# Altium PCB driver_V1.2.2.PcbDoc (part 1 of 2)
Units mm, origin at the board's own origin, x right, y up, seen from the top; angles counter-clockwise.
Board outline 57.1 x 171.3 mm, 2 copper layers (Top Layer, Bottom Layer), stack 1.58 mm thick; 272 components, 24 nets, 644 pads, 100 vias.
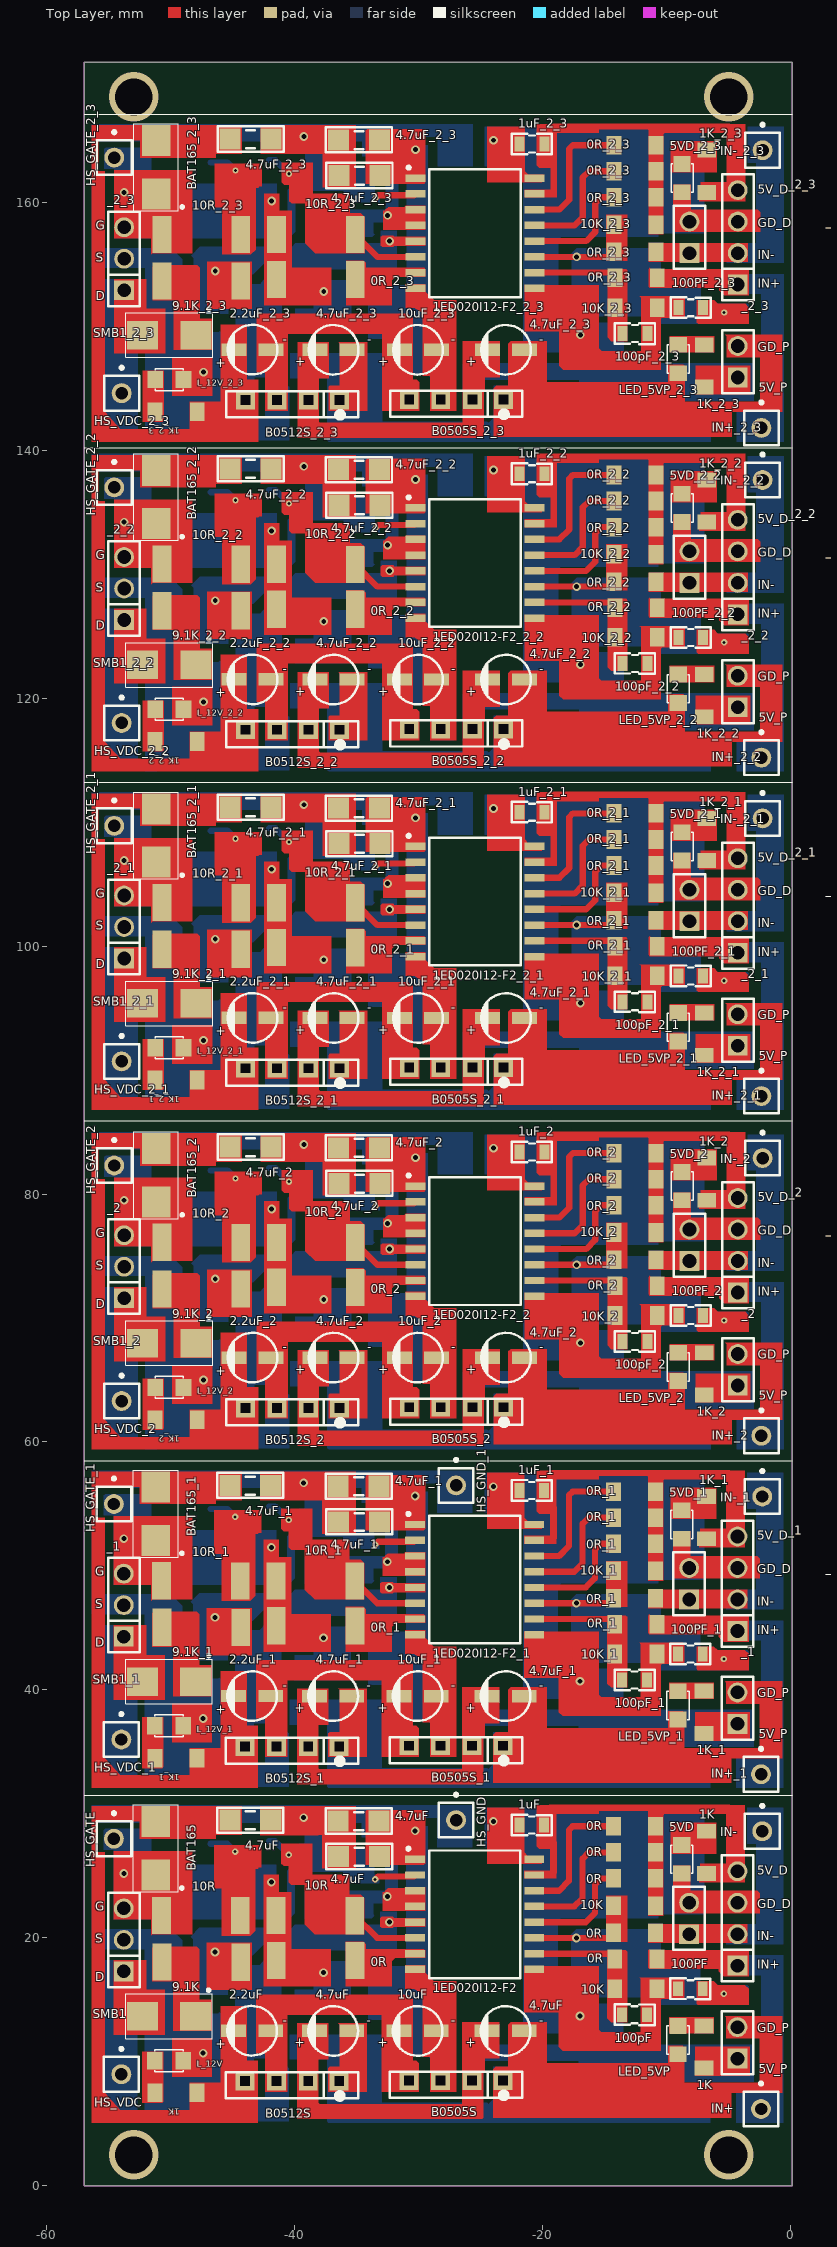
[diagram p0: Top Layer view]
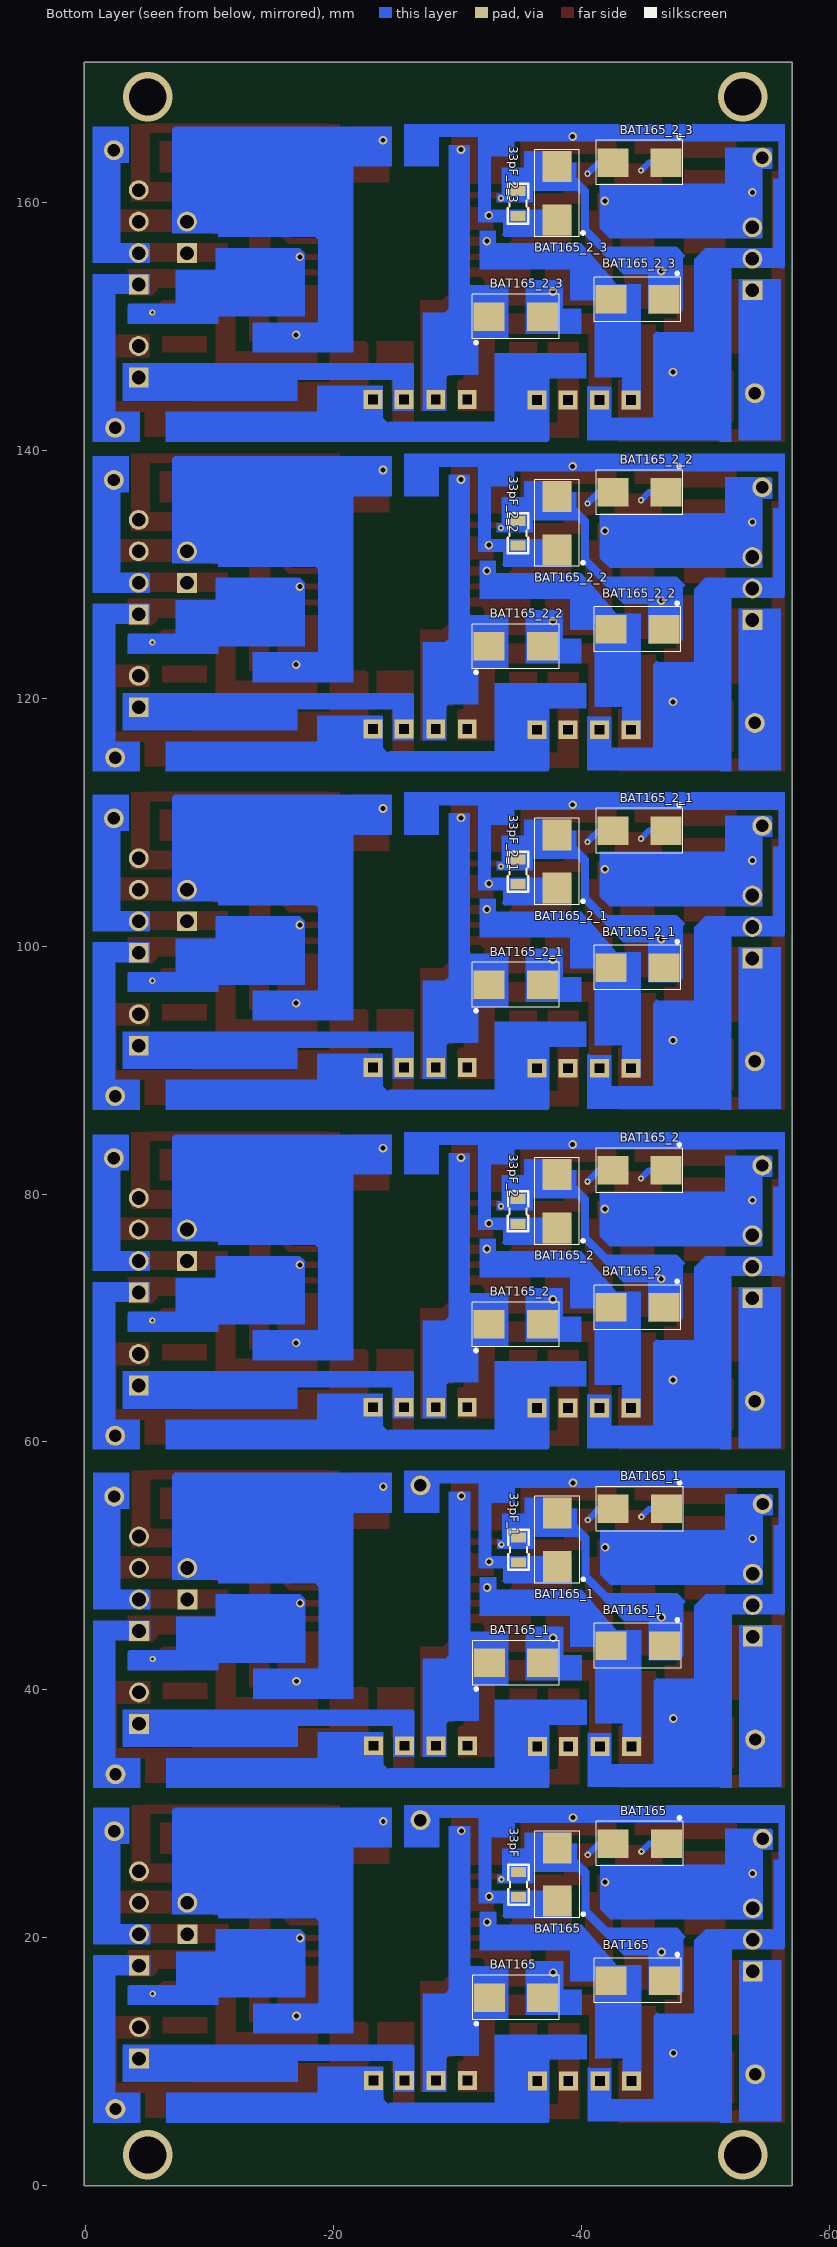
[diagram p1: Bottom Layer view, seen from below]
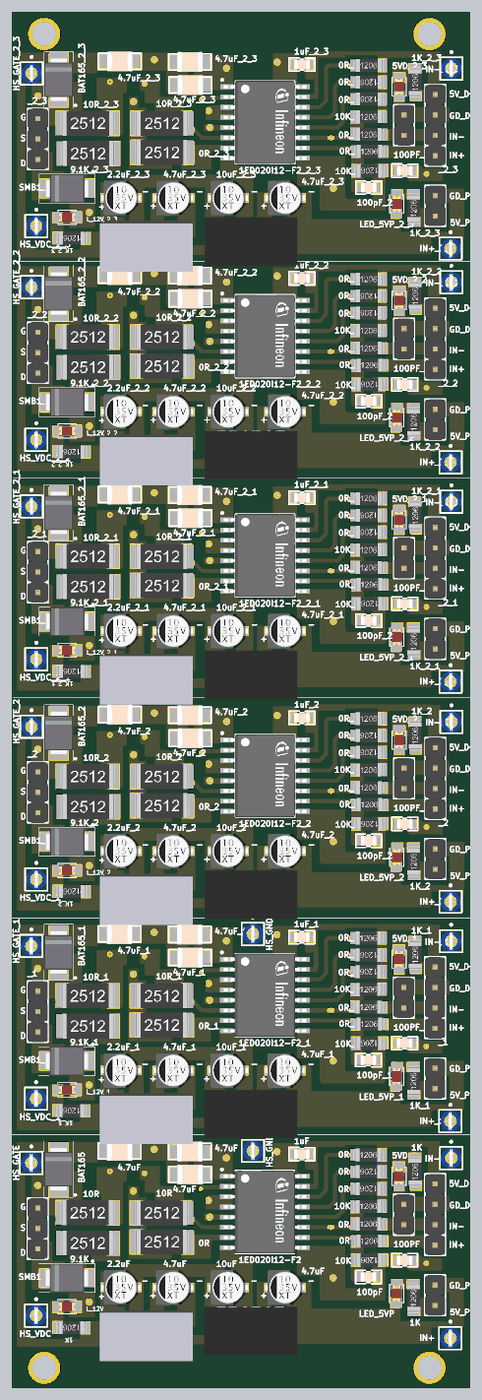
[diagram p3: 3D render of the assembled board from above, using the file's embedded part models]
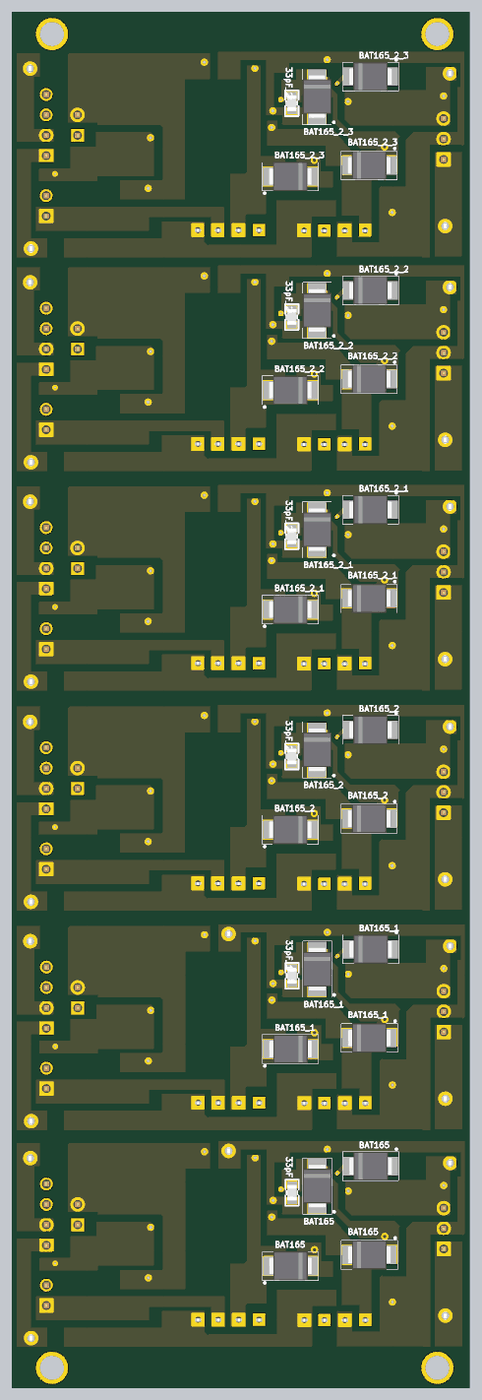
[diagram p4: 3D render of the assembled board from below, using the file's embedded part models]

## Layer stack, top to bottom
Top Solder: solder mask 0.01, Solder Resist, Dk 3.5
Top Layer: signal copper 0.035
Dielectric 1: dielectric 1.51, FR-4, Dk 4.8
Bottom Layer: signal copper 0.035
Bottom Solder: solder mask 0.01, Solder Resist, Dk 3.5

## Board outline
-57,0 0.1,0 0.1,171.3 -57,171.3

## Design rules (kind name [scope] priority, off if disabled: settings)
Clearance [All] p1: gap=0.5
PolygonConnect [All] p1: connectstyle=Relief reliefconductorwidth=0.254 reliefentries=4 polygonreliefangle="90 Angle" airgapwidth=0.254
RoutingVias [All] p1: holewidth=0.711 width=1.27 viastyle="Through Hole" minholewidth=0.711 minwidth=1.27 maxholewidth=0.711 maxwidth=1.27
SolderMaskExpansion [All] p1: expansion=0.102
Width [All] p1: maxlimit=2 minlimit=0.5 preferedwidth=0.5
30 further rules are at their usual default settings.

## Classes and differential pairs
component class driver_V1.1: 0R 1K 10K 24 100PF 100pF IN+ JP5 L_5VD SMB1

## Components (designator, comment, footprint, x,y, rotation, side; value= is the part's Value field where it differs from the comment)
0R "0R" RES_2512 -38.34,17.97 r0 top (schematic designator 17)
0R "0R" RES1206 -12.6,20.4 r0 top (schematic designator 18)
0R "0R" RES1206 -12.5,18.3 r0 top (schematic designator 16)
0R "0R" RES1206 -12.6,24.8 r180 top (schematic designator 13)
0R "0R" RES1206 -12.6,29 r0 top (schematic designator 12)
0R "0R" RES1206 -12.6,26.9 r180 top (schematic designator 11)
0R_1 "0R" RES1206 -12.6,53.9 r180 top (schematic designator 11)
0R_1 "0R" RES1206 -12.6,56 r0 top (schematic designator 12)
0R_1 "0R" RES1206 -12.6,51.8 r180 top (schematic designator 13)
0R_1 "0R" RES1206 -12.5,45.3 r0 top (schematic designator 16)
0R_1 "0R" RES1206 -12.6,47.4 r0 top (schematic designator 18)
0R_1 "0R" RES_2512 -38.34,44.97 r0 top (schematic designator 17)
0R_2 "0R" RES1206 -12.575,81.2 r180 top (schematic designator 11)
0R_2 "0R" RES1206 -12.575,83.3 r0 top (schematic designator 12)
0R_2 "0R" RES1206 -12.575,79.1 r180 top (schematic designator 13)
0R_2 "0R" RES1206 -12.475,72.6 r0 top (schematic designator 16)
0R_2 "0R" RES1206 -12.575,74.7 r0 top (schematic designator 18)
0R_2 "0R" RES_2512 -38.315,72.27 r0 top (schematic designator 17)
0R_2_1 "0R" RES_2512 -38.315,99.67 r0 top (schematic designator 17)
0R_2_1 "0R" RES1206 -12.575,102.1 r0 top (schematic designator 18)
0R_2_1 "0R" RES1206 -12.475,100 r0 top (schematic designator 16)
0R_2_1 "0R" RES1206 -12.575,106.5 r180 top (schematic designator 13)
0R_2_1 "0R" RES1206 -12.575,110.7 r0 top (schematic designator 12)
0R_2_1 "0R" RES1206 -12.575,108.6 r180 top (schematic designator 11)
0R_2_2 "0R" RES_2512 -38.315,126.97 r0 top (schematic designator 17)
0R_2_2 "0R" RES1206 -12.575,129.4 r0 top (schematic designator 18)
0R_2_2 "0R" RES1206 -12.475,127.3 r0 top (schematic designator 16)
0R_2_2 "0R" RES1206 -12.575,133.8 r180 top (schematic designator 13)
0R_2_2 "0R" RES1206 -12.575,138 r0 top (schematic designator 12)
0R_2_2 "0R" RES1206 -12.575,135.9 r180 top (schematic designator 11)
0R_2_3 "0R" RES_2512 -38.315,153.57 r0 top (schematic designator 17)
0R_2_3 "0R" RES1206 -12.575,156 r0 top (schematic designator 18)
0R_2_3 "0R" RES1206 -12.475,153.9 r0 top (schematic designator 16)
0R_2_3 "0R" RES1206 -12.575,160.4 r180 top (schematic designator 13)
0R_2_3 "0R" RES1206 -12.575,164.6 r0 top (schematic designator 12)
0R_2_3 "0R" RES1206 -12.575,162.5 r180 top (schematic designator 11)
1ED020I12-F2 "1ED020I12-F2" SOIC127P1028X264-16N-1 -25.5,21.9 r0 top (schematic designator 14)
1ED020I12-F2_1 "1ED020I12-F2" SOIC127P1028X264-16N-1 -25.5,48.9 r0 top (schematic designator 14)
1ED020I12-F2_2 "1ED020I12-F2" SOIC127P1028X264-16N-1 -25.475,76.2 r0 top (schematic designator 14)
1ED020I12-F2_2_1 "1ED020I12-F2" SOIC127P1028X264-16N-1 -25.475,103.6 r0 top (schematic designator 14)
1ED020I12-F2_2_2 "1ED020I12-F2" SOIC127P1028X264-16N-1 -25.475,130.9 r0 top (schematic designator 14)
1ED020I12-F2_2_3 "1ED020I12-F2" SOIC127P1028X264-16N-1 -25.475,157.5 r0 top (schematic designator 14)
1K "1K" RES1206 -49.6,7.5 r180 top (schematic designator 6)
1K "1K" RES1206 -6.8,26.9 r90 top (schematic designator 7)
1K "1K" RES1206 -7,11.2 r90 top (schematic designator 3)
1K_1 "1K" RES1206 -7,38.2 r90 top (schematic designator 3)
1K_1 "1K" RES1206 -6.8,53.9 r90 top (schematic designator 7)
1K_1 "1K" RES1206 -49.6,34.5 r180 top (schematic designator 6)
1K_2 "1K" RES1206 -6.975,65.5 r90 top (schematic designator 3)
1K_2 "1K" RES1206 -6.775,81.2 r90 top (schematic designator 7)
1K_2 "1K" RES1206 -49.575,61.8 r180 top (schematic designator 6)
1K_2_1 "1K" RES1206 -49.575,89.2 r180 top (schematic designator 6)
1K_2_1 "1K" RES1206 -6.775,108.6 r90 top (schematic designator 7)
1K_2_1 "1K" RES1206 -6.975,92.9 r90 top (schematic designator 3)
1K_2_2 "1K" RES1206 -49.575,116.5 r180 top (schematic designator 6)
1K_2_2 "1K" RES1206 -6.775,135.9 r90 top (schematic designator 7)
1K_2_2 "1K" RES1206 -6.975,120.2 r90 top (schematic designator 3)
1K_2_3 "1K" RES1206 -49.575,143.1 r180 top (schematic designator 6)
1K_2_3 "1K" RES1206 -6.775,162.5 r90 top (schematic designator 7)
1K_2_3 "1K" RES1206 -6.975,146.8 r90 top (schematic designator 3)
1uF "1uF" "Tu 0805_N" -20.9,29.1 r0 top (schematic designator 8)
1uF_1 "1uF" "Tu 0805_N" -20.9,56.1 r0 top (schematic designator 8)
1uF_2 "1uF" "Tu 0805_N" -20.875,83.4 r0 top (schematic designator 8)
1uF_2_1 "1uF" "Tu 0805_N" -20.875,110.8 r0 top (schematic designator 8)
1uF_2_2 "1uF" "Tu 0805_N" -20.875,138.1 r0 top (schematic designator 8)
1uF_2_3 "1uF" "Tu 0805_N" -20.875,164.7 r0 top (schematic designator 8)
2.2uF "2.2uF_35V" tu_4x5.4mm -43.45,12.51 r0 top (schematic designator 2)
2.2uF_1 "2.2uF_35V" tu_4x5.4mm -43.45,39.51 r0 top (schematic designator 2)
2.2uF_2 "2.2uF_35V" tu_4x5.4mm -43.425,66.81 r0 top (schematic designator 2)
2.2uF_2_1 "2.2uF_35V" tu_4x5.4mm -43.425,94.21 r0 top (schematic designator 2)
2.2uF_2_2 "2.2uF_35V" tu_4x5.4mm -43.425,121.51 r0 top (schematic designator 2)
2.2uF_2_3 "2.2uF_35V" tu_4x5.4mm -43.425,148.11 r0 top (schematic designator 2)
4.7uF "4.7uF_35V" tu_4x5.4mm -36.91,12.5 r0 top (schematic designator 1)
4.7uF "4.7uF" "tu 1206_N" -34.86,29.43 r180 top (schematic designator 23)
4.7uF "4.7uF" "tu 1206_N" -34.82,26.56 r180 top (schematic designator 22)
4.7uF "4.7uF" "tu 1206_N" -43.6,29.5 r180 top (schematic designator 9)
4.7uF "4.7uF_35V" tu_4x5.4mm -23,12.5 r0 top (schematic designator 5)
4.7uF_1 "4.7uF_35V" tu_4x5.4mm -23,39.5 r0 top (schematic designator 5)
4.7uF_1 "4.7uF" "tu 1206_N" -43.6,56.5 r180 top (schematic designator 9)
4.7uF_1 "4.7uF" "tu 1206_N" -34.82,53.56 r180 top (schematic designator 22)
4.7uF_1 "4.7uF" "tu 1206_N" -34.86,56.43 r180 top (schematic designator 23)
4.7uF_1 "4.7uF_35V" tu_4x5.4mm -36.91,39.5 r0 top (schematic designator 1)
4.7uF_2 "4.7uF_35V" tu_4x5.4mm -22.975,66.8 r0 top (schematic designator 5)
4.7uF_2 "4.7uF" "tu 1206_N" -43.575,83.8 r180 top (schematic designator 9)
4.7uF_2 "4.7uF" "tu 1206_N" -34.795,80.86 r180 top (schematic designator 22)
4.7uF_2 "4.7uF" "tu 1206_N" -34.835,83.73 r180 top (schematic designator 23)
4.7uF_2 "4.7uF_35V" tu_4x5.4mm -36.885,66.8 r0 top (schematic designator 1)
4.7uF_2_1 "4.7uF_35V" tu_4x5.4mm -36.885,94.2 r0 top (schematic designator 1)
4.7uF_2_1 "4.7uF" "tu 1206_N" -34.835,111.13 r180 top (schematic designator 23)
4.7uF_2_1 "4.7uF" "tu 1206_N" -34.795,108.26 r180 top (schematic designator 22)
4.7uF_2_1 "4.7uF" "tu 1206_N" -43.575,111.2 r180 top (schematic designator 9)
4.7uF_2_1 "4.7uF_35V" tu_4x5.4mm -22.975,94.2 r0 top (schematic designator 5)
4.7uF_2_2 "4.7uF_35V" tu_4x5.4mm -36.885,121.5 r0 top (schematic designator 1)
4.7uF_2_2 "4.7uF" "tu 1206_N" -34.835,138.43 r180 top (schematic designator 23)
4.7uF_2_2 "4.7uF" "tu 1206_N" -34.795,135.56 r180 top (schematic designator 22)
4.7uF_2_2 "4.7uF" "tu 1206_N" -43.575,138.5 r180 top (schematic designator 9)
4.7uF_2_2 "4.7uF_35V" tu_4x5.4mm -22.975,121.5 r0 top (schematic designator 5)
4.7uF_2_3 "4.7uF_35V" tu_4x5.4mm -36.885,148.1 r0 top (schematic designator 1)
4.7uF_2_3 "4.7uF" "tu 1206_N" -34.835,165.03 r180 top (schematic designator 23)
4.7uF_2_3 "4.7uF" "tu 1206_N" -34.795,162.16 r180 top (schematic designator 22)
4.7uF_2_3 "4.7uF" "tu 1206_N" -43.575,165.1 r180 top (schematic designator 9)
4.7uF_2_3 "4.7uF_35V" tu_4x5.4mm -22.975,148.1 r0 top (schematic designator 5)
5VD "LED 0805" LED-0805-Red -8.8,27.486 r270 top (schematic designator L3)
5VD_1 "LED 0805" LED-0805-Red -8.8,54.486 r270 top (schematic designator L3)
5VD_2 "LED 0805" LED-0805-Red -8.775,81.786 r270 top (schematic designator L3)
5VD_2_1 "LED 0805" LED-0805-Red -8.775,109.186 r270 top (schematic designator L3)
5VD_2_2 "LED 0805" LED-0805-Red -8.775,136.486 r270 top (schematic designator L3)
5VD_2_3 "LED 0805" LED-0805-Red -8.775,163.086 r270 top (schematic designator L3)
9.1K "9.1K" RES_2512 -47.564,17.842 r0 top (schematic designator 15)
9.1K_1 "9.1K" RES_2512 -47.564,44.842 r0 top (schematic designator 15)
9.1K_2 "9.1K" RES_2512 -47.539,72.142 r0 top (schematic designator 15)
9.1K_2_1 "9.1K" RES_2512 -47.539,99.542 r0 top (schematic designator 15)
9.1K_2_2 "9.1K" RES_2512 -47.539,126.842 r0 top (schematic designator 15)
9.1K_2_3 "9.1K" RES_2512 -47.539,153.442 r0 top (schematic designator 15)
10K "10K" RES1206 -12.5,15.9 r180 top (schematic designator 21)
10K "10K" RES1206 -12.6,22.6 r0 top (schematic designator 10)
10K_1 "10K" RES1206 -12.6,49.6 r0 top (schematic designator 10)
10K_1 "10K" RES1206 -12.5,42.9 r180 top (schematic designator 21)
10K_2 "10K" RES1206 -12.575,76.9 r0 top (schematic designator 10)
10K_2 "10K" RES1206 -12.475,70.2 r180 top (schematic designator 21)
10K_2_1 "10K" RES1206 -12.475,97.6 r180 top (schematic designator 21)
10K_2_1 "10K" RES1206 -12.575,104.3 r0 top (schematic designator 10)
10K_2_2 "10K" RES1206 -12.475,124.9 r180 top (schematic designator 21)
10K_2_2 "10K" RES1206 -12.575,131.6 r0 top (schematic designator 10)
10K_2_3 "10K" RES1206 -12.475,151.5 r180 top (schematic designator 21)
10K_2_3 "10K" RES1206 -12.575,158.2 r0 top (schematic designator 10)
10R "10R" RES_2512 -38.345,21.59 r0 top (schematic designator 20)
10R "10R" RES_2512 -47.59,21.6 r0 top (schematic designator 19)
10R_1 "10R" RES_2512 -47.59,48.6 r0 top (schematic designator 19)
10R_1 "10R" RES_2512 -38.345,48.59 r0 top (schematic designator 20)
10R_2 "10R" RES_2512 -47.565,75.9 r0 top (schematic designator 19)
10R_2 "10R" RES_2512 -38.32,75.89 r0 top (schematic designator 20)
10R_2_1 "10R" RES_2512 -38.32,103.29 r0 top (schematic designator 20)
10R_2_1 "10R" RES_2512 -47.565,103.3 r0 top (schematic designator 19)
10R_2_2 "10R" RES_2512 -38.32,130.59 r0 top (schematic designator 20)
10R_2_2 "10R" RES_2512 -47.565,130.6 r0 top (schematic designator 19)
10R_2_3 "10R" RES_2512 -38.32,157.19 r0 top (schematic designator 20)
10R_2_3 "10R" RES_2512 -47.565,157.2 r0 top (schematic designator 19)
10uF "10uF_35V" tu_4x5.4mm -30.1,12.5 r0 top (schematic designator 4)
10uF_1 "10uF_35V" tu_4x5.4mm -30.1,39.5 r0 top (schematic designator 4)
10uF_2 "10uF_35V" tu_4x5.4mm -30.075,66.8 r0 top (schematic designator 4)
10uF_2_1 "10uF_35V" tu_4x5.4mm -30.075,94.2 r0 top (schematic designator 4)
10uF_2_2 "10uF_35V" tu_4x5.4mm -30.075,121.5 r0 top (schematic designator 4)
10uF_2_3 "10uF_35V" tu_4x5.4mm -30.075,148.1 r0 top (schematic designator 4)
24 "JP 1x2 2.54" "JP 1x2 DT_n" -8.2,20.3 r90 top
33pF "33pF" "Tu 0805_N" -34.9,24.3 r90 bottom (schematic designator C1)
33pF_1 "33pF" "Tu 0805_N" -34.9,51.3 r90 bottom (schematic designator C1)
33pF_2 "33pF" "Tu 0805_N" -34.875,78.6 r90 bottom (schematic designator C1)
33pF_2_1 "33pF" "Tu 0805_N" -34.875,106 r90 bottom (schematic designator C1)
33pF_2_2 "33pF" "Tu 0805_N" -34.875,133.3 r90 bottom (schematic designator C1)
33pF_2_3 "33pF" "Tu 0805_N" -34.875,159.9 r90 bottom (schematic designator C1)
100pF "100pF" "Tu 0805_N" -12.6,13.8 r180 top (schematic designator C3)
100PF "100pF" "Tu 0805_N" -8.1,15.9 r0 top (schematic designator C2)
100PF_1 "100pF" "Tu 0805_N" -8.1,42.9 r0 top (schematic designator C2)
100pF_1 "100pF" "Tu 0805_N" -12.6,40.8 r180 top (schematic designator C3)
100PF_2 "100pF" "Tu 0805_N" -8.075,70.2 r0 top (schematic designator C2)
100pF_2 "100pF" "Tu 0805_N" -12.575,68.1 r180 top (schematic designator C3)
100pF_2_1 "100pF" "Tu 0805_N" -12.575,95.5 r180 top (schematic designator C3)
100PF_2_1 "100pF" "Tu 0805_N" -8.075,97.6 r0 top (schematic designator C2)
100pF_2_2 "100pF" "Tu 0805_N" -12.575,122.8 r180 top (schematic designator C3)
100PF_2_2 "100pF" "Tu 0805_N" -8.075,124.9 r0 top (schematic designator C2)
100pF_2_3 "100pF" "Tu 0805_N" -12.575,149.4 r180 top (schematic designator C3)
100PF_2_3 "100pF" "Tu 0805_N" -8.075,151.5 r0 top (schematic designator C2)
_1 "JP 1x2 2.54" "JP 1x2 DT_n" -8.2,47.3 r90 top (schematic designator 24)
_1 "JP 1x4 2.54" "JP 1X4 DT_N" -4.3,44.76 r90 top (schematic designator IN+1)
_1 "JP 1x2 2.54" "JP 1x2 DT_n" -4.3,37.26 r90 top (schematic designator JP2)
_1 "JP 1x3 2.54" "JP 1x3 DT" -53.8,44.3 r90 top (schematic designator JP5)
_2 "JP 1x2 2.54" "JP 1x2 DT_n" -8.175,74.6 r90 top (schematic designator 24)
_2 "JP 1x4 2.54" "JP 1X4 DT_N" -4.275,72.06 r90 top (schematic designator IN+1)
_2 "JP 1x2 2.54" "JP 1x2 DT_n" -4.275,64.56 r90 top (schematic designator JP2)
_2 "JP 1x3 2.54" "JP 1x3 DT" -53.775,71.6 r90 top (schematic designator JP5)
_2_1 "JP 1x3 2.54" "JP 1x3 DT" -53.775,99 r90 top (schematic designator JP5)
_2_1 "JP 1x2 2.54" "JP 1x2 DT_n" -4.275,91.96 r90 top (schematic designator JP2)
_2_1 "JP 1x4 2.54" "JP 1X4 DT_N" -4.275,99.46 r90 top (schematic designator IN+1)
_2_1 "JP 1x2 2.54" "JP 1x2 DT_n" -8.175,102 r90 top (schematic designator 24)
_2_2 "JP 1x3 2.54" "JP 1x3 DT" -53.775,126.3 r90 top (schematic designator JP5)
_2_2 "JP 1x2 2.54" "JP 1x2 DT_n" -4.275,119.26 r90 top (schematic designator JP2)
_2_2 "JP 1x4 2.54" "JP 1X4 DT_N" -4.275,126.76 r90 top (schematic designator IN+1)
_2_2 "JP 1x2 2.54" "JP 1x2 DT_n" -8.175,129.3 r90 top (schematic designator 24)
_2_3 "JP 1x3 2.54" "JP 1x3 DT" -53.775,152.9 r90 top (schematic designator JP5)
_2_3 "JP 1x2 2.54" "JP 1x2 DT_n" -4.275,145.86 r90 top (schematic designator JP2)
_2_3 "JP 1x4 2.54" "JP 1X4 DT_N" -4.275,153.36 r90 top (schematic designator IN+1)
_2_3 "JP 1x2 2.54" "JP 1x2 DT_n" -8.175,155.9 r90 top (schematic designator 24)
B0505S "DC_DC_12V" B0512S/D-1W -27.06,8.2 r0 top (schematic designator U2)
B0505S_1 "DC_DC_12V" B0512S/D-1W -27.06,35.2 r0 top (schematic designator U2)
B0505S_2 "DC_DC_12V" B0512S/D-1W -27.035,62.5 r0 top (schematic designator U2)
B0505S_2_1 "DC_DC_12V" B0512S/D-1W -27.035,89.9 r0 top (schematic designator U2)
B0505S_2_2 "DC_DC_12V" B0512S/D-1W -27.035,117.2 r0 top (schematic designator U2)
B0505S_2_3 "DC_DC_12V" B0512S/D-1W -27.035,143.8 r0 top (schematic designator U2)
B0512S "DC_DC_5V" B0505S/D-1W -40.28,8.15 r0 top (schematic designator U1)
B0512S_1 "DC_DC_5V" B0505S/D-1W -40.28,35.15 r0 top (schematic designator U1)
B0512S_2 "DC_DC_5V" B0505S/D-1W -40.255,62.45 r0 top (schematic designator U1)
B0512S_2_1 "DC_DC_5V" B0505S/D-1W -40.255,89.85 r0 top (schematic designator U1)
B0512S_2_2 "DC_DC_5V" B0505S/D-1W -40.255,117.15 r0 top (schematic designator U1)
B0512S_2_3 "DC_DC_5V" B0505S/D-1W -40.255,143.75 r0 top (schematic designator U1)
BAT165 "BAT165" SMB -44.53,16.56 r0 bottom (schematic designator BAT1)
BAT165 "BAT165" SMB -51.22,27.22 r90 top (schematic designator BAT2)
BAT165 "BAT165" SMB -44.7,27.6 r0 bottom (schematic designator BAT3)
BAT165 "BAT165" SMB -34.71,15.18 r180 bottom (schematic designator BAT4)
BAT165 "BAT165" SMB -38.04,25.12 r90 bottom (schematic designator BAT5)
BAT165_1 "BAT165" SMB -38.04,52.12 r90 bottom (schematic designator BAT5)
BAT165_1 "BAT165" SMB -34.71,42.18 r180 bottom (schematic designator BAT4)
BAT165_1 "BAT165" SMB -44.7,54.6 r0 bottom (schematic designator BAT3)
BAT165_1 "BAT165" SMB -51.22,54.22 r90 top (schematic designator BAT2)
BAT165_1 "BAT165" SMB -44.53,43.56 r0 bottom (schematic designator BAT1)
BAT165_2 "BAT165" SMB -38.015,79.42 r90 bottom (schematic designator BAT5)
BAT165_2 "BAT165" SMB -34.685,69.48 r180 bottom (schematic designator BAT4)
BAT165_2 "BAT165" SMB -44.675,81.9 r0 bottom (schematic designator BAT3)
BAT165_2 "BAT165" SMB -51.195,81.52 r90 top (schematic designator BAT2)
BAT165_2 "BAT165" SMB -44.505,70.86 r0 bottom (schematic designator BAT1)
BAT165_2_1 "BAT165" SMB -44.505,98.26 r0 bottom (schematic designator BAT1)
BAT165_2_1 "BAT165" SMB -51.195,108.92 r90 top (schematic designator BAT2)
BAT165_2_1 "BAT165" SMB -44.675,109.3 r0 bottom (schematic designator BAT3)
BAT165_2_1 "BAT165" SMB -34.685,96.88 r180 bottom (schematic designator BAT4)
BAT165_2_1 "BAT165" SMB -38.015,106.82 r90 bottom (schematic designator BAT5)
BAT165_2_2 "BAT165" SMB -44.505,125.56 r0 bottom (schematic designator BAT1)
BAT165_2_2 "BAT165" SMB -51.195,136.22 r90 top (schematic designator BAT2)
BAT165_2_2 "BAT165" SMB -44.675,136.6 r0 bottom (schematic designator BAT3)
BAT165_2_2 "BAT165" SMB -34.685,124.18 r180 bottom (schematic designator BAT4)
BAT165_2_2 "BAT165" SMB -38.015,134.12 r90 bottom (schematic designator BAT5)
BAT165_2_3 "BAT165" SMB -44.505,152.16 r0 bottom (schematic designator BAT1)
BAT165_2_3 "BAT165" SMB -51.195,162.82 r90 top (schematic designator BAT2)
BAT165_2_3 "BAT165" SMB -44.675,163.2 r0 bottom (schematic designator BAT3)
BAT165_2_3 "BAT165" SMB -34.685,150.78 r180 bottom (schematic designator BAT4)
BAT165_2_3 "BAT165" SMB -38.015,160.72 r90 bottom (schematic designator BAT5)
HS_GATE "JP 1x1 2.54" test_point -54.6,28 r0 top (schematic designator JP1)
HS_GATE_1 "JP 1x1 2.54" test_point -54.6,55 r0 top (schematic designator JP1)
HS_GATE_2 "JP 1x1 2.54" test_point -54.575,82.3 r0 top (schematic designator JP1)
HS_GATE_2_1 "JP 1x1 2.54" test_point -54.575,109.7 r0 top (schematic designator JP1)
HS_GATE_2_2 "JP 1x1 2.54" test_point -54.575,137 r0 top (schematic designator JP1)
HS_GATE_2_3 "JP 1x1 2.54" test_point -54.575,163.6 r0 top (schematic designator JP1)
HS_GND "JP 1x1 2.54" test_point -27,29.5 r0 top (schematic designator JP3)
HS_GND_1 "JP 1x1 2.54" test_point -27,56.5 r0 top (schematic designator JP3)
HS_VDC "JP 1x1 2.54" test_point -54,9 r0 top (schematic designator JP4)
HS_VDC_1 "JP 1x1 2.54" test_point -54,36 r0 top (schematic designator JP4)
HS_VDC_2 "JP 1x1 2.54" test_point -53.975,63.3 r0 top (schematic designator JP4)
HS_VDC_2_1 "JP 1x1 2.54" test_point -53.975,90.7 r0 top (schematic designator JP4)
HS_VDC_2_2 "JP 1x1 2.54" test_point -53.975,118 r0 top (schematic designator JP4)
HS_VDC_2_3 "JP 1x1 2.54" test_point -53.975,144.6 r0 top (schematic designator JP4)
IN+ "JP 1x1 2.54" test_point -2.4,6.2 r0 top (schematic designator JP7)
IN+1 "JP 1x4 2.54" "JP 1X4 DT_N" -4.3,17.76 r90 top
IN+_1 "JP 1x1 2.54" test_point -2.4,33.2 r0 top (schematic designator JP7)
IN+_2 "JP 1x1 2.54" test_point -2.375,60.5 r0 top (schematic designator JP7)
IN+_2_1 "JP 1x1 2.54" test_point -2.375,87.9 r0 top (schematic designator JP7)
IN+_2_2 "JP 1x1 2.54" test_point -2.375,115.2 r0 top (schematic designator JP7)
IN+_2_3 "JP 1x1 2.54" test_point -2.375,141.8 r0 top (schematic designator JP7)
IN- "JP 1x1 2.54" test_point -2.3,28.6 r0 top (schematic designator JP6)
IN-_1 "JP 1x1 2.54" test_point -2.3,55.6 r0 top (schematic designator JP6)
IN-_2 "JP 1x1 2.54" test_point -2.275,82.9 r0 top (schematic designator JP6)
IN-_2_1 "JP 1x1 2.54" test_point -2.275,110.3 r0 top (schematic designator JP6)
IN-_2_2 "JP 1x1 2.54" test_point -2.275,137.6 r0 top (schematic designator JP6)
IN-_2_3 "JP 1x1 2.54" test_point -2.275,164.2 r0 top (schematic designator JP6)
JP2 "JP 1x2 2.54" "JP 1x2 DT_n" -4.3,10.26 r90 top
JP5 "JP 1x3 2.54" "JP 1x3 DT" -53.8,17.3 r90 top
L_12V "LED 0805" LED-0805-Red -51.3,10.1 r0 top (schematic designator L2)
L_12V_1 "LED 0805" LED-0805-Red -51.3,37.1 r0 top (schematic designator L2)
L_12V_2 "LED 0805" LED-0805-Red -51.275,64.4 r0 top (schematic designator L2)
L_12V_2_1 "LED 0805" LED-0805-Red -51.275,91.8 r0 top (schematic designator L2)
L_12V_2_2 "LED 0805" LED-0805-Red -51.275,119.1 r0 top (schematic designator L2)
L_12V_2_3 "LED 0805" LED-0805-Red -51.275,145.7 r0 top (schematic designator L2)
LED_5VP "LED 0805" LED-0805-Red -9.1,12.9 r270 top (schematic designator L1)
LED_5VP_1 "LED 0805" LED-0805-Red -9.1,39.9 r270 top (schematic designator L1)
LED_5VP_2 "LED 0805" LED-0805-Red -9.075,67.2 r270 top (schematic designator L1)
LED_5VP_2_1 "LED 0805" LED-0805-Red -9.075,94.6 r270 top (schematic designator L1)
LED_5VP_2_2 "LED 0805" LED-0805-Red -9.075,121.9 r270 top (schematic designator L1)
LED_5VP_2_3 "LED 0805" LED-0805-Red -9.075,148.5 r270 top (schematic designator L1)
SMB1 "S3N" SMB -50.16,13.68 r180 top
SMB1_1 "S3N" SMB -50.16,40.68 r180 top (schematic designator SMB1)
SMB1_2 "S3N" SMB -50.135,67.98 r180 top (schematic designator SMB1)
SMB1_2_1 "S3N" SMB -50.135,95.38 r180 top (schematic designator SMB1)
SMB1_2_2 "S3N" SMB -50.135,122.68 r180 top (schematic designator SMB1)
SMB1_2_3 "S3N" SMB -50.135,149.28 r180 top (schematic designator SMB1)

## Footprints (in the part's own frame and the unit in brackets; to place one, negate y for a bottom-side part, rotate by r counter-clockwise, add the part's x,y. Pads: shape width x height; smd on the part's side, far side on the other; paste and mask are expansions set on the pad)
B0505S/D-1W [mm] "B0512S/D-1W"
  rect 1.52x1.52 hole 0.75 square: 1(3.85,0.3) 2(1.35,0.3) 3(-1.2,0.3) 4(-3.74,0.3)
  silkscreen extent -5.28,-1.12 5.38,1, body extent -5.8,-4.8 5.8,1.52, height 18.66
B0512S/D-1W [mm] "B0512S/D-1W"
  rect 1.52x1.52 hole 0.75 square: 1(3.85,0.3) 2(1.35,0.3) 3(-1.2,0.3) 4(-3.74,0.3)
  silkscreen extent -5.28,-1.12 5.38,1, body extent -6,-4.1 5.6,1.91, height 18
"JP 1x2 DT_n" [mm] "2 pins, 1 row, straight, gold plating"
  rect 1.6x1.6 hole 1.1: 1(0,0)
  round 1.6 hole 1.1: 2(2.54,0)
  silkscreen extent -1.27,-1.27 3.81,1.27, body extent -1.27,-1.27 3.81,1.27, height 8.54
"JP 1x3 DT" [mm]
  rect 1.6x1.6 hole 1.1: 1(0,0)
  round 1.6 hole 1.1: 2(2.54,0) 3(5.08,0)
  silkscreen extent -1.27,-1.27 6.35,1.27, body extent -1.27,-1.27 6.35,1.27, height 8.54
"JP 1X4 DT_N" [mm] "4 pins, 1 row, straight, gold plating"
  rect 1.6x1.6 hole 1.1: 1(0,0)
  round 1.6 hole 1.1: 2(2.54,0) 3(5.08,0) 4(7.62,0)
  silkscreen extent -1.27,-1.27 8.89,1.27, body extent -1.27,-1.27 8.89,1.27, height 8.54
LED-0805-Red [mil]
  rect 50x55 smd: 1(0,0) 2(90,0)
  silkscreen extent 0,-35 90,35, body extent 5,-25 85,25, height 43
RES1206 [mm]
  rect 1.2x1.5 smd: 1(-1.7,0) 2(1.7,0)
  body extent -1.9,-0.8 1.9,0.8, height 0.6
RES_2512 [mm]
  rect 1.5x3 smd: 1(3.185,0.2)
  rect 1.524x3 smd: 2(-3.166,0.208)
  body extent -3.4,-1.35 3.4,1.75, height 0.6
SMB [mm] "DO-214"
  rect 2.5x2.3 smd: 1(-2.15,0) 2(2.15,0)
  silkscreen extent -3.5,-2.2 3.5,1.8, body extent -2.7,-1.8 2.7,1.8
SOIC127P1028X264-16N-1 [mm] "SOIC,1.27mm,pitch;16 pin,7.52mm W X 10.34mm L X 2.64mm H body"
  rect 1.6x0.6 smd paste+0 mask+0: 1(-4.8,4.445) 2(-4.8,3.175) 3(-4.8,1.905) 4(-4.8,0.635) 5(-4.8,-0.635) 6(-4.8,-1.905) 7(-4.8,-3.175) 8(-4.8,-4.445) 9(4.8,-4.445) 10(4.8,-3.175) 11(4.8,-1.905) 12(4.8,-0.635) 13(4.8,0.635) 14(4.8,1.905) 15(4.8,3.175) 16(4.8,4.445)
  silkscreen extent -5.47,-5.15 3.68,5.42, body extent -5.16,-5.17 5.16,5.17, height 2.65
test_point [mm] "1pins, 1 row, straight, gold plating"
  round 1.6 hole 1: 1(0,0)
  silkscreen extent -1.4,-1.4 1.4,2.17, body extent -1.27,-1.27 1.27,1.27, height 4.89
"Tu 0805_N" [mm] "Compoment SMD 80x50mil"
  rect 0.8x1.2 smd: 1(-1,-0.003) 2(1,0)
  silkscreen extent -1.62,-0.83 1.61,0.83, body extent -1,-0.62 1,0.63, height 1.26
"tu 1206_N" [mm]
  rect 1.7x1.7 smd: 1(-1.65,0) 2(1.65,0)
  silkscreen extent -2.67,-1.02 2.67,1.02, body extent -1.6,-1.25 1.6,1.25, height 2.01
tu_4x5.4mm [mm]
  rect 2x1 smd: 1(-1.5,0) 2(1.5,0)
  silkscreen extent -2,-2 2,2, body extent -2.45,-2.15 2.45,2.15, height 5.4

## Part data
0R 0R 0R 0R 0R 0R 0R_1 0R_1 0R_1 0R_1 0R_1 0R_1 0R_2 0R_2 0R_2 0R_2 0R_2 0R_2 0R_2_1 0R_2_1 0R_2_1 0R_2_1 0R_2_1 0R_2_1 0R_2_2 0R_2_2 0R_2_2 0R_2_2 0R_2_2 0R_2_2 0R_2_3 0R_2_3 0R_2_3 0R_2_3 0R_2_3 0R_2_3 1K 1K 1K 1K_1 1K_1 1K_1 1K_2 1K_2 1K_2 1K_2_1 1K_2_1 1K_2_1 1K_2_2 1K_2_2 1K_2_2 1K_2_3 1K_2_3 1K_2_3 9.1K 9.1K_1 9.1K_2 9.1K_2_1 9.1K_2_2 9.1K_2_3 10K 10K 10K_1 10K_1 10K_2 10K_2 10K_2_1 10K_2_1 10K_2_2 10K_2_2 10K_2_3 10K_2_3 10R 10R 10R_1 10R_1 10R_2 10R_2 10R_2_1 10R_2_1 10R_2_2 10R_2_2 10R_2_3 10R_2_3: library part 311-0.0GRTR-ND
1ED020I12-F2 1ED020I12-F2_1 1ED020I12-F2_2 1ED020I12-F2_2_1 1ED020I12-F2_2_2 1ED020I12-F2_2_3: "Single IGBT Driver IC"
1uF 1uF_1 1uF_2 1uF_2_1 1uF_2_2 1uF_2_3 33pF 33pF_1 33pF_2 33pF_2_1 33pF_2_2 33pF_2_3 100pF 100PF 100PF_1 100pF_1 100PF_2 100pF_2 100pF_2_1 100PF_2_1 100pF_2_2 100PF_2_2 100pF_2_3 100PF_2_3: library part cap_0805
2.2uF 2.2uF_1 2.2uF_2 2.2uF_2_1 2.2uF_2_2 2.2uF_2_3 4.7uF 4.7uF 4.7uF_1 4.7uF_1 4.7uF_2 4.7uF_2 4.7uF_2_1 4.7uF_2_1 4.7uF_2_2 4.7uF_2_2 4.7uF_2_3 4.7uF_2_3 10uF 10uF_1 10uF_2 10uF_2_1 10uF_2_2 10uF_2_3: library part capacitor_electric, "capacitor_electric"
4.7uF 4.7uF 4.7uF 4.7uF_1 4.7uF_1 4.7uF_1 4.7uF_2 4.7uF_2 4.7uF_2 4.7uF_2_1 4.7uF_2_1 4.7uF_2_1 4.7uF_2_2 4.7uF_2_2 4.7uF_2_2 4.7uF_2_3 4.7uF_2_3 4.7uF_2_3: library part cap_1210
5VD 5VD_1 5VD_2 5VD_2_1 5VD_2_2 5VD_2_3 L_12V L_12V_1 L_12V_2 L_12V_2_1 L_12V_2_2 L_12V_2_3 LED_5VP LED_5VP_1 LED_5VP_2 LED_5VP_2_1 LED_5VP_2_2 LED_5VP_2_3: library part "LED 0805 Do", "Dán"
24 _1 _1 _2 _2 _2_1 _2_1 _2_2 _2_2 _2_3 _2_3 JP2: library part "JP 1x2 2.54 Duc Thang", "C?m"
_1 _2 _2_1 _2_2 _2_3 IN+1: library part "JP 1x4 2.54 Duc Thang", "C?m"
_1 _2 _2_1 _2_2 _2_3 JP5: library part "JP 1x3 2.54 Duc Cong", "C?m"
B0505S B0505S_1 B0505S_2 B0505S_2_1 B0505S_2_2 B0505S_2_3: library part DC_DC_12v
B0512S B0512S_1 B0512S_2 B0512S_2_1 B0512S_2_2 B0512S_2_3: library part DC_DC_5v
HS_GATE HS_GATE_1 HS_GATE_2 HS_GATE_2_1 HS_GATE_2_2 HS_GATE_2_3 HS_GND HS_GND_1 HS_VDC HS_VDC_1 HS_VDC_2 HS_VDC_2_1 HS_VDC_2_2 HS_VDC_2_3 IN+ IN+_1 IN+_2 IN+_2_1 IN+_2_2 IN+_2_3 IN- IN-_1 IN-_2 IN-_2_1 IN-_2_2 IN-_2_3: library part "JP 1x1 2.54 Duc Thang", "C?m"
SMB1 SMB1_1 SMB1_2 SMB1_2_1 SMB1_2_2 SMB1_2_3: library part S3A-S3N

## Via types
v1: diameter 0.7, hole 0.4, Top Layer to Bottom Layer, 72 vias
v2: diameter 0.508, hole 0.254, Top Layer to Bottom Layer, 24 vias
v3: diameter 4, hole 3, Top Layer to Bottom Layer, 4 vias

## Nets (pads, with @x,y where several pads share a name; then routed paths per layer and width w, separated by ;. In a path a pad name is that pad's centre, name@x,y a point inside that pad or via, vN(x,y) a via of type N, cw(c..) or ccw(c..) an arc to the next point about the centre after c; other vN are vias at no path point)
5V_D: 0R.1@-10.9,24.8 0R.1@-10.9,26.9 0R.2@-10.9,29 1ED020I12-F2.15 1K.1@-6.8,25.2 1uF.2 10K.2@-10.9,22.6 IN+1.4 | length 37.8
  Top Layer w0.5: 1ED020I12-F2.15@-20.7,25.075 -19.325,25.075 -19.125,25.275 -19.125,27.7 -19.725,28.3 -19.725,28.925 1uF.2@-19.9,29.1 -19.9,30 -19.4,30.5 -10.7,30.5 ; 10K.2@-10.9,22.6 0R.1@-10.9,24.8 0R.1@-10.9,26.9 0R.2@-10.9,29 -10.9,30.3 -10.7,30.5 ; 1K.1@-6.8,25.5 -4.42,25.5 IN+1.4@-4.3,25.38 -4.3,29.8 -5,30.5 -10.7,30.5
12V: 1ED020I12-F2.5 1K.1@-47.9,7.5 2.2uF.1 4.7uF.2@-45.25,29.5 B0512S.4 BAT165.2@-42.38,16.56 BAT165.2@-51.22,29.37 | length 77.6
  Top Layer w0.5: BAT165.2@-50.8,29.1 BAT165.2@-50.4,29.5 ; 4.7uF.2@-45.4,29.2 -45.9,29.7 -55.9,29.7 -56.15,29.45 -56.15,6.83 -55.02,5.7 -48.14,5.7 -47.91,5.93 -47.91,7.45 -45.02,7.45 B0512S.4@-44.02,8.45 -44.95,9.38 2.2uF.1@-44.95,12.51 ; v1(-32.385,21.265) 1ED020I12-F2.5@-30.3,21.265
  Bottom Layer w0.5: B0512S.4@-44.02,8.45 -44.02,14.52 -43,15.54 -43,16.6 -42.6,17 -40.62,17 -40.57,17.05 -40.57,17.08 -40.125,17.525 -40.125,19.4 -39.175,20.35 -33.3,20.35 v1(-32.385,21.265)
-5V: 1ED020I12-F2.1 1ED020I12-F2.8 4.7uF.1@-33.17,26.56 4.7uF.1@-33.21,29.43 10uF.2 B0505S.3 BAT165.1@-32.56,15.18 | length 42.5
  Top Layer w0.5: 4.7uF.1@-33.21,29.43 -33.21,26.6 4.7uF.1@-33.17,26.56 -32.955,26.345 1ED020I12-F2.1@-30.3,26.345 v1(-30.3,28.64) ; 1ED020I12-F2.8@-30.3,17.455 -30.3,17.1 -28.6,15.4 10uF.2@-28.6,12.5 -28,11.9 -28,8.76 B0505S.3@-28.26,8.5
  Bottom Layer w0.5: BAT165.1@-33.2,14.3 -31.47,14.3 -30.3,15.47 ; v1(-30.3,28.64) -30.3,15.47 ; B0505S.3@-28.26,8.5 -28.26,13.43 -30.3,15.47
GND_D: 1ED020I12-F2.9 1ED020I12-F2.16 1uF.1 5VD.2 10K.1@-10.8,15.9 24.2 100pF.1 100PF.1 IN+1.3 | length 62.6
  Top Layer w0.5: v1(-24,29.4) -23.697,29.097 1uF.1@-21.9,29.097 -21.9,26.9 -21.345,26.345 1ED020I12-F2.16@-20.7,26.345 ; 1ED020I12-F2.9@-20.7,17.455 -15.245,12 -11.9,12 -11.6,12.3 100pF.1@-11.6,13.803 -10.8,14.603 10K.1@-10.8,15.9 -9.103,15.9 100PF.1@-9.1,15.897 ; 5VD.2@-8.8,25.2 -8.8,23.44 24.2@-8.2,22.84 IN+1.3@-4.3,22.84
  Bottom Layer w0.5: v1(-24,29.4) -23.83,29.57 -19.57,29.57 -18.37,28.37 -18.37,22.11 ; v1(-17,13.7) -18,13.7 -19.1,14.8 -19.1,21.38 -18.37,22.11 ; 24.2@-8.2,22.84 -17.64,22.84 -18.37,22.11
GND_P: 4.7uF.2@-21.5,12.5 4.7uF.2@-35.41,12.5 B0505S.1 B0512S.1 JP2.2 LED_5VP.2 | length 56.4
  Top Layer w0.5: B0512S.1@-36.43,8.45 -35.41,9.47 4.7uF.2@-35.41,12.5 4.7uF.2@-35.41,12.57 ; B0505S.1@-23.21,8.5 -21.5,10.21 ; 4.7uF.2@-21.5,12.5 -21.5,10.21 ; LED_5VP.2@-9.1,10.614 -9.1,9.2 ; JP2.2@-4.3,12.8 -2.6,12.8 -1.9,12.1 -1.9,8.3 -2.3,7.9 -8.9,7.9 -9.1,8.1 -9.1,9.2 ; -21.5,10.21 -21.5,10 -20.7,9.2 -9.1,9.2
  Bottom Layer w0.5: B0512S.1@-36.43,8.45 -36.43,6.12 -36.24,5.93 -24,5.93 -23.21,6.72 B0505S.1@-23.21,8.5
HS_GATE: 0R.2@-41.506,18.178 10R.2 BAT165.1@-51.22,25.07 BAT165.2@-36.86,15.18 HS_GATE.1 JP5.3 | length 40.7
  Top Layer w0.5: JP5.3@-53.8,22.38 -51.328,22.38 10R.2@-50.8,21.852 ; BAT165.1@-51.22,25.07 -50.756,24.606 10R.2@-50.756,21.808 ; v1(-41.9,24.5) -41.9,22.187 10R.2@-41.511,21.798 -41.511,18.183 0R.2@-41.506,18.178 -38.078,18.178 -37.722,17.822 -37.722,17.222 v1(-37.7,17.2) ; 10R.2@-50.8,21.852 -50.8,21.764 10R.2@-50.756,21.808 ; 10R.2@-50.8,21.852 10R.2@-50.756,21.808
  Bottom Layer w0.5: HS_GATE.1@-54.6,28 -53.8,27.2 v1(-53.8,25.2) JP5.3@-53.8,22.38 ; JP5.3@-54,22.38 JP5.3@-53.8,22.38 ; -48.61,22.29 -48.7,22.38 ; v1(-41.9,24.5) -42.7,23.7 -42.7,23.1 -43.42,22.38 -48.7,22.38 ; v1(-37.7,17.2) -36.6,16.1 BAT165.2@-36.6,14.3 ; JP5.3@-53.8,22.38 -48.7,22.38
HS_GND: 1ED020I12-F2.3 1ED020I12-F2.4 2.2uF.2 4.7uF.1@-41.95,29.5 4.7uF.2@-36.47,26.56 4.7uF.2@-36.51,29.43 10uF.1 33pF.1 B0505S.4 B0512S.3 BAT165.1@-38.04,22.97 HS_GND.1 JP5.2 L_12V.2 | length 121.8
  Top Layer w0.5: L_12V.2@-48.57,10.19 -48.06,10.7 v1(-47.4,10.7) ; 4.7uF.1@-42.1,29.2 -41.6,29.7 v1(-39.3,29.7) -36.9,29.7 -36.57,29.37 4.7uF.2@-36.51,29.43 -36.51,26.6 4.7uF.2@-36.47,26.56 ; B0512S.3@-41.48,8.45 -41.95,8.92 2.2uF.2@-41.95,12.51 -41.95,14.35 -41.48,14.82 -32.02,14.82 -31.5,14.3 -31.5,12.6 10uF.1@-31.6,12.5 -31.6,9.3 B0505S.4@-30.8,8.5 ; v1(-32.54,23.34) -32.54,23.66 -32.5,23.7 -30.405,23.7 1ED020I12-F2.3@-30.3,23.805 1ED020I12-F2.4@-30.3,22.535
  Bottom Layer w0.5: v1(-47.4,10.7) -48.41,10.7 -48.61,10.5 -48.61,8.6 ; B0512S.3@-41.48,8.45 -41.48,6.12 -41.76,5.84 -48.04,5.84 -48.61,6.41 -48.61,8.6 ; BAT165.1@-37.64,23.38 -35.384,23.38 -35.333,23.33 -32.55,23.33 v1(-32.54,23.34) -32.2,23.68 -32.2,28.5 -32.8,29.1 ; HS_GND.1@-27,29.5 -27.8,30.3 -32.5,30.3 -32.8,30 -32.8,29.1 ; -48.61,8.6 -49.6,8.6 -50.51,9.51 -50.51,19.51 -50.84,19.84 JP5.2@-53.8,19.84 -55.34,19.84 -56.15,20.65 -56.15,29.55 -56.02,29.68 -33.38,29.68 -32.8,29.1
HS_HV_VDC: HS_VDC.1 JP5.1 SMB1.2 | length 12.5
  Top Layer w0.5: JP5.1@-54,17.1 -54,15.37 SMB1.2@-52.31,13.68
  Bottom Layer w0.5: HS_VDC.1@-54,9 -54,17.1 JP5.1@-53.8,17.3
IN+: 0R.2@-10.8,18.3 IN+1.1 IN+.1 | length 21.1
  Top Layer w0.5: 0R.2@-10.8,18.3 -4.84,18.3 IN+1.1@-4.3,17.76
  Bottom Layer w0.5: IN+1.1@-4.3,17.76 -2.26,17.76 -1.8,17.3 -1.8,6 IN+.1@-2.1,5.7
IN-: 0R.2@-10.9,20.4 24.1 IN+1.2 IN-.1 | length 16.7
  Top Layer w0.5: 0R.2@-10.9,20.4 -4.4,20.4 IN+1.2@-4.3,20.3
  Bottom Layer w0.5: IN+1.2@-4.3,20.3 -4.2,20.4 -2.6,20.4 -2.3,20.7 IN-.1@-2.3,28.6
Net3_2: 1K.2@-7,12.9 LED_5VP.1 | length 2.1
  Top Layer w0.5: LED_5VP.1@-9.1,12.9 1K.2@-7,12.9
Net6_2: 1K.2@-51.3,7.5 L_12V.1 | length 2.6
  Top Layer w0.5: 1K.2@-51.3,7.5 L_12V.1@-51.3,10.1
Net7_2: 1K.2@-6.8,28.6 5VD.1 | length 3
  Top Layer w0.5: 5VD.1@-8.8,27.486 -8.8,28.4 -8.6,28.6 1K.2@-6.8,28.6 ; 1K.2@-6.814,28.886 1K.2@-6.8,28.9
Net10_1: 0R.1@-14.3,20.4 1ED020I12-F2.11 10K.1@-14.3,22.6 100PF.2 | length 26
  Top Layer w0.5: 1ED020I12-F2.11@-20.7,19.995 v1(-17.3,19.995) -14.705,19.995 0R.1@-14.3,20.4 ; 0R.1@-14.6,20.7 -14.4,20.9 10K.1@-14.4,22.6 ; 100PF.2@-7.1,15.9 -6.7,15.5 v2(-5.4,15.5)
  Bottom Layer w0.5: v1(-17.3,19.995) -17.3,16.9 -15.9,15.5 v2(-5.4,15.5)
Net11_2: 0R.2@-14.3,26.9 1ED020I12-F2.13 | length 10.1
  Top Layer w0.5: 1ED020I12-F2.13@-20.7,22.535 -17.465,22.535 -16.8,23.2 -16.8,26.4 -16.3,26.9 0R.2@-14.3,26.9
Net12_1: 0R.1@-14.3,29 1ED020I12-F2.14 | length 10.4
  Top Layer w0.5: 1ED020I12-F2.14@-20.7,23.805 -18.695,23.805 -17.9,24.6 -17.9,28.7 -17.6,29 0R.1@-14.9,29
Net13_2: 0R.2@-14.3,24.8 1ED020I12-F2.12 | length 9.2
  Top Layer w0.5: 1ED020I12-F2.12@-20.7,21.265 -16.535,21.265 -15.8,22 -15.8,24.3 -15.3,24.8 0R.2@-14.3,24.8
Net14_2: 1ED020I12-F2.2 9.1K.1 33pF.2 BAT165.1@-46.68,16.56 BAT165.2@-38.04,27.27 | length 29.8
  Top Layer w0.5: v1(-46.45,18.86) -46.45,18.21 -46.282,18.042 9.1K.1@-44.379,18.042 ; v2(-33.53,24.72) -33.29,24.96 -30.415,24.96 1ED020I12-F2.2@-30.3,25.075
  Bottom Layer w0.5: BAT165.1@-46.5,16.2 -46.5,18.81 v1(-46.45,18.86) -43.54,18.86 -40.3,22.1 -40.3,25.13 -38.82,26.61 -38.82,27.68 -36.33,27.68 -35.7,27.05 -35.7,25.7 -35.33,25.33 -34.14,25.33 v2(-33.53,24.72)
Net14_6: 1ED020I12-F2.6 10R.1@-35.16,21.79 BAT165.2@-42.55,27.6 | length 15.7
  Top Layer w0.5: v2(-40.5,26.7) -40.2,26.4 -40.2,25.2 -39.87,24.87 -38.24,24.87 10R.1@-35.16,21.79 -33.365,19.995 1ED020I12-F2.6@-30.3,19.995
  Bottom Layer w0.5: BAT165.2@-42.1,27.8 -41.6,27.8 v2(-40.5,26.7)
Net14_7: 0R.1@-35.155,18.17 1ED020I12-F2.7 | length 5.1
  Top Layer w0.5: 0R.1@-35.155,18.17 -34.6,18.725 1ED020I12-F2.7@-30.3,18.725
Net14_10: 0R.1@-14.2,18.3 1ED020I12-F2.10 10K.2@-14.2,15.9 100pF.2 | length 11.4
  Top Layer w0.5: 1ED020I12-F2.10@-20.7,18.725 -14.625,18.725 0R.1@-14.2,18.3 10K.2@-14.2,15.9 -14.2,14.4 100pF.2@-13.6,13.8
Net15_2: 9.1K.2 SMB1.1 | length 6.7
  Top Layer w0.5: 9.1K.2@-50.73,18.05 -48.75,18.05 -48.01,17.31 SMB1.1@-48.01,13.68
Net19_1: 10R.1@-44.405,21.8 BAT165.1@-46.85,27.6 | length 7.7
  Top Layer w0.5: v2(-44.82,26.96) -44.82,22.725 -44.3,22.205 -44.405,22.1 10R.1@-44.405,21.8
  Bottom Layer w0.5: BAT165.1@-46.82,27.6 -45.46,27.6 v2(-44.82,26.96)
VCC_5V: 1K.1@-7,9.5 4.7uF.1@-24.5,12.5 4.7uF.1@-38.41,12.5 B0505S.2 B0512S.2 JP2.1 | length 52.6
  Top Layer w0.5: 4.7uF.1@-38.41,12.57 4.7uF.1@-38.41,12.5 -38.41,8.97 B0512S.2@-38.93,8.45 -38.93,6.93 -38.2,6.2 -26.3,6.2 -25.71,6.79 B0505S.2@-25.71,8.5 -25.71,8.581 -25,9.291 -25,12 4.7uF.1@-24.5,12.5 ; 1K.1@-7,9.5 -6.6,9.9 -4.66,9.9 JP2.1@-4.3,10.26
  Bottom Layer w0.5: B0505S.2@-25.71,8.5 -25.71,10.29 -25.1,10.9 -4.94,10.9 JP2.1@-4.3,10.26